# Altium PCB Holberton.PcbDoc (part 6 of 6)
Units mil, origin at the board's own origin, x right, y up, seen from the top; angles counter-clockwise.
Board outline 2963.39 x 3031.46 mil, 6 copper layers (Top Layer, GND, SL1, SL2, PWR, Bottom Layer), stack 30.516 mil thick; 455 components, 409 nets, 1505 pads, 1106 vias.
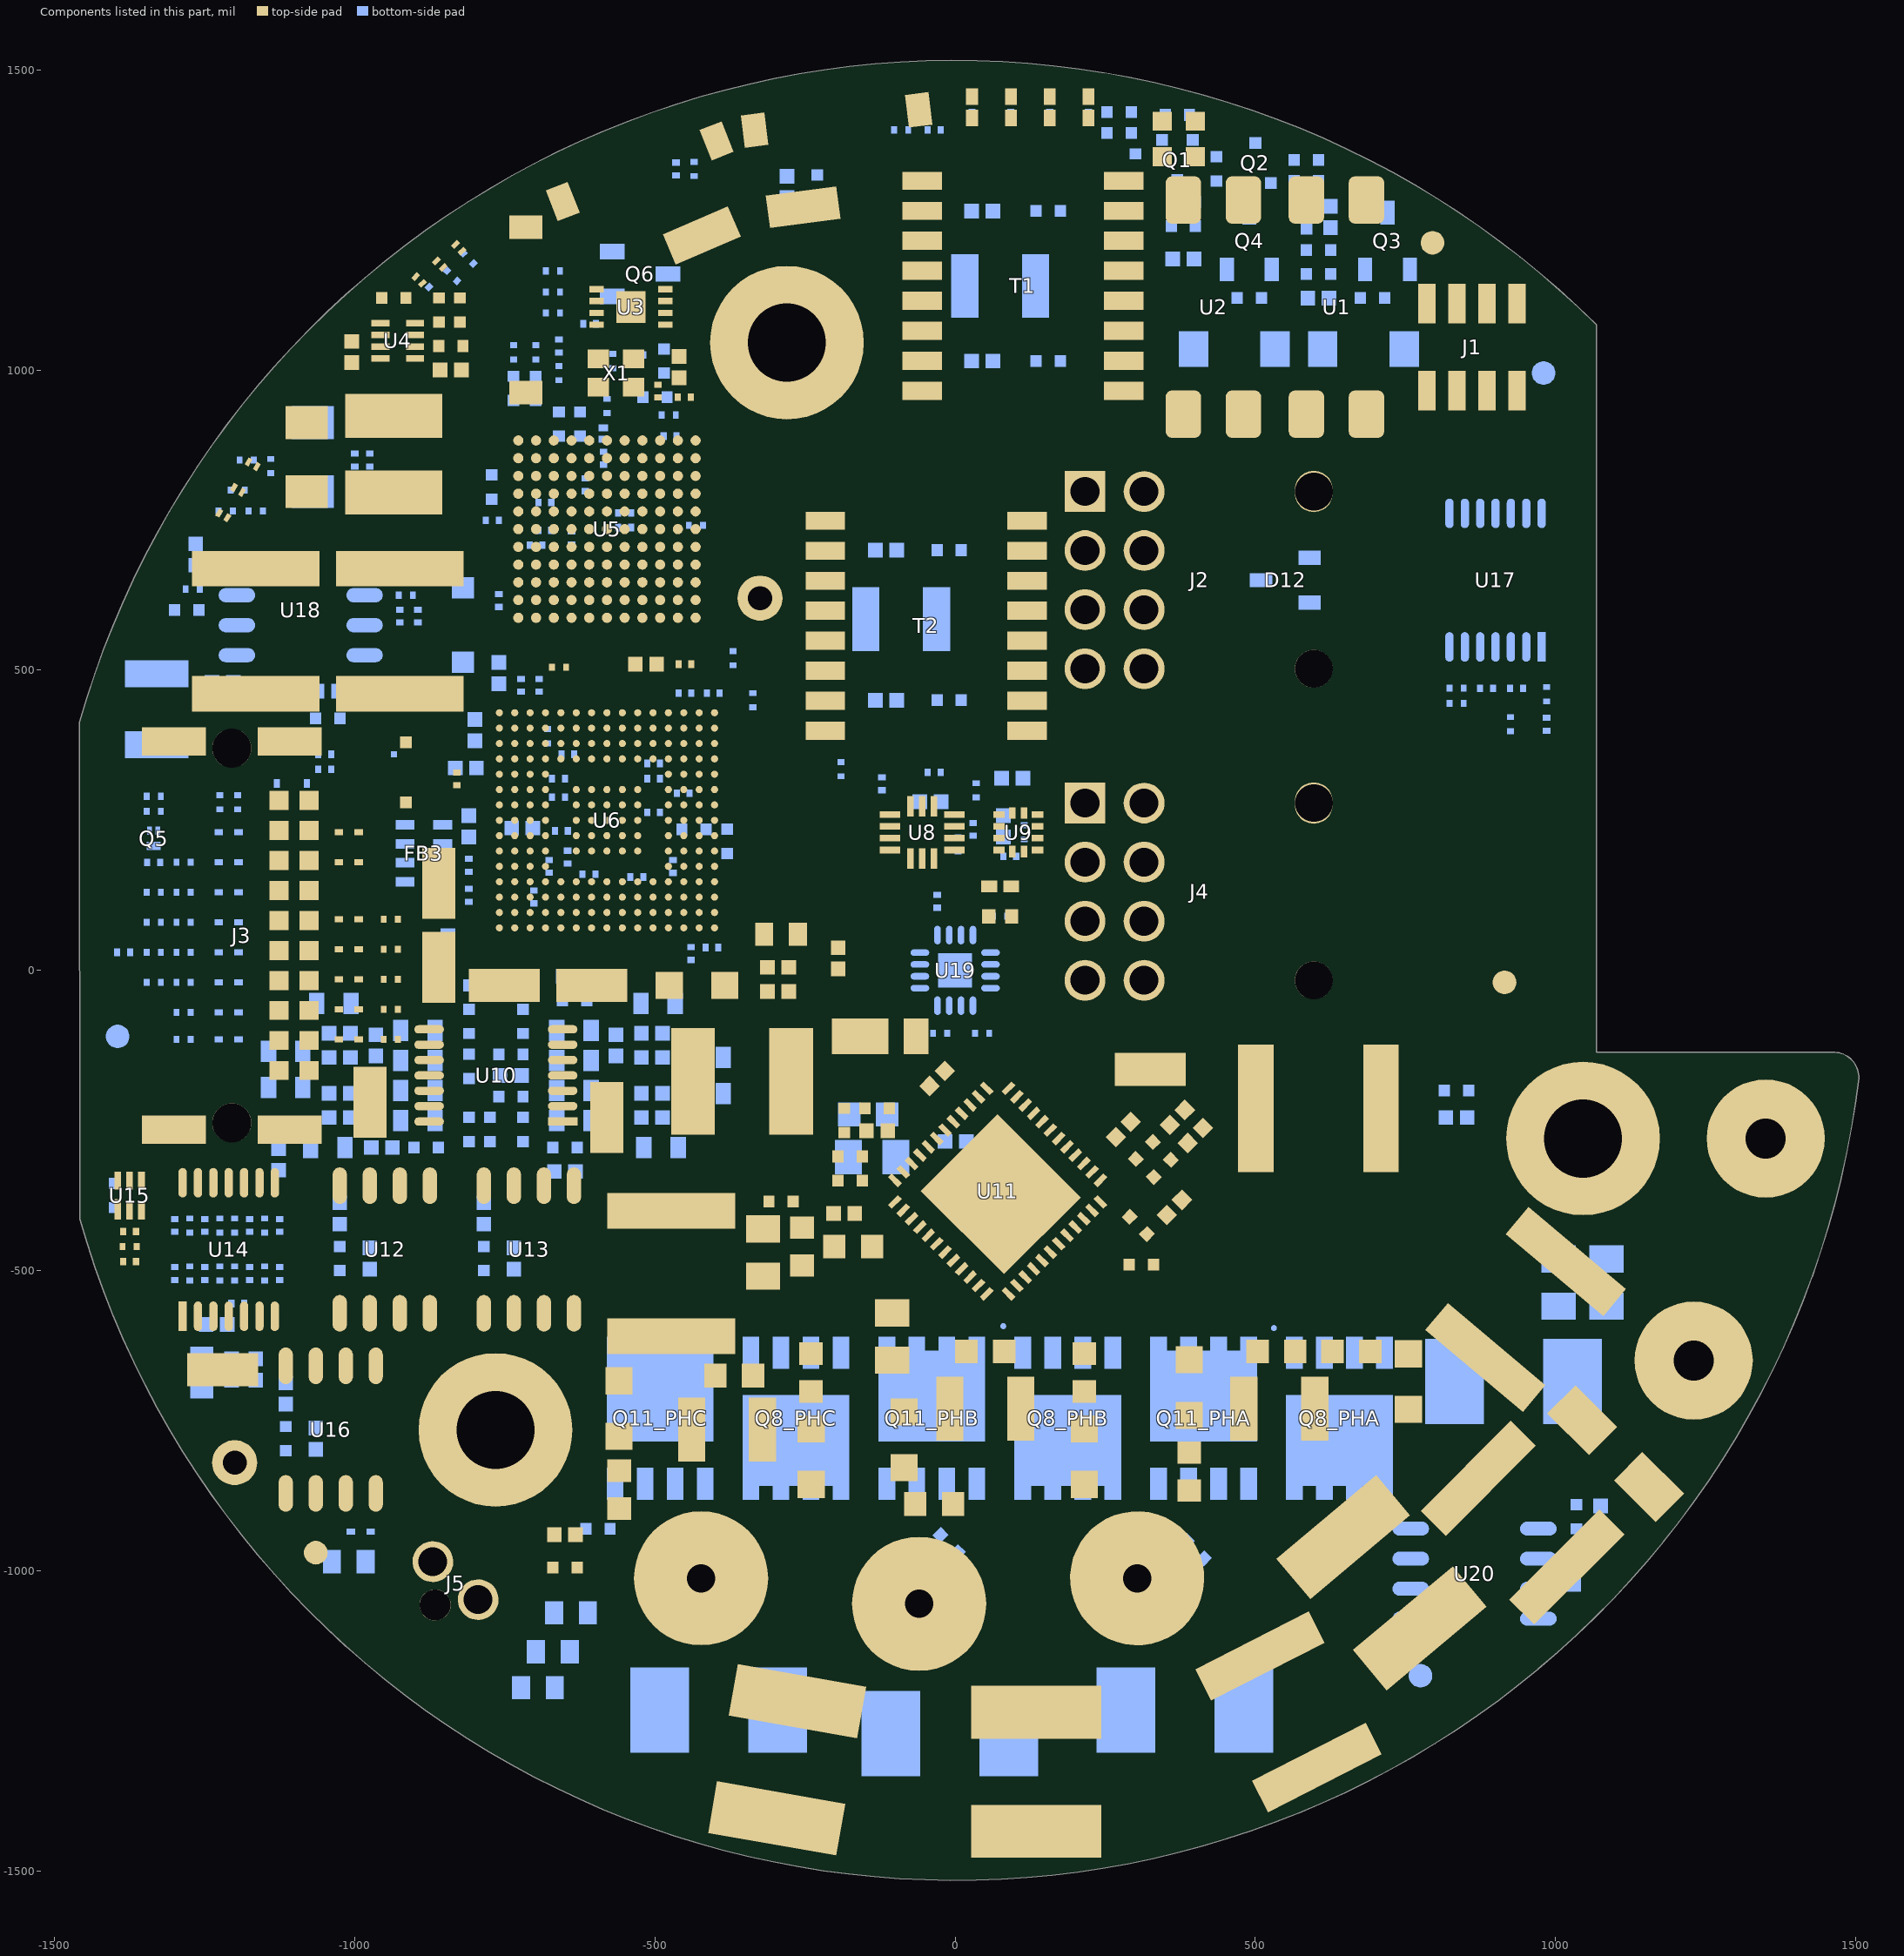
[diagram p10: the components of this part, seen from the top]

## Polygon pours and split planes (outlines as drawn) (continued)
GND on Top Layer "TOP-GND 8" (solid, remove dead copper, pour order 1217): 21 vertices, not listed, extent 65,-780 350,-515
MPWR_IN on Top Layer "TOP-MPWR_IN 1" (solid, pour order 1201): 1255,-565 1320,-630 1320.34,-690.19 1250,-815 1185,-815 1155,-785 1135,-785 1105,-815 1070,-815 995,-740 1090,-620 1110,-600 1180,-565 1255,-565
24V0_SAFE on Top Layer "TOP-24V0_SAFE" (solid, pour order 1196): -365,-485 -375,-495 -375,-520 -366,-529 -295,-529 -271,-505 -240,-505 -240,-475 -280,-475 -290,-485
GND on Top Layer "TOP-GND 4" (solid, remove dead copper, pour order 1229): 32 vertices, not listed, extent -420,-536.5 211.5,-240.5
AGND on Top Layer "TOP-AGND" (solid, remove dead copper, pour order 1296): 54 vertices, not listed, extent -1450.65,-1223.74 -610,-80
VFBSMPS on Top Layer "TOP-VFBSMPS" (solid, remove dead copper, pour order 1290): -975,385 -955,405 -825,405 -815,395 -815,355 -820,350 -885,350 -895,360 -935,360 -950,345 -975,345 -975,385
NetC3_2 on Top Layer "TOP-NETC97_2" (solid, remove dead copper, pour order 1287): -910,1024 -910,985 -935,960 -1016,960 -1016,873 -857,873 -850,880 -850,1010 -875,1010 -875,1020 -879,1024 -910,1024
LVXSMPS on Top Layer "TOP-LVXSMPS" (solid, remove dead copper, pour order 1285): -875,310 -825,310 -825,275 -835,265 -960,265 -970,275 -970,300 -950,300 -940,290 -895,290 -875,310
24V0_GB on Top Layer "TOP-24V0_GB" (solid, remove dead copper, pour order 1282): -363.13,91.87 -306.87,91.87 -305,90 -305,-75 -315,-85 -390,-85 -405,-70 -405,5 -370,40 -370,85
AGND on Top Layer "TOP-AGND 1" (solid, remove dead copper, pour order 1280): -1360,-385 -1360,-418 -1368,-426 -1368,-490 -1340,-490 -1335,-485 -1335,-390 -1340,-385 -1360,-385
SW on Top Layer "TOP-SW" (solid, remove dead copper, pour order 1274): 28 vertices, not listed, extent -305,-275 -7.5,-85
24V0 on Top Layer "TOP-24V0" (solid, remove dead copper, pour order 1257): -1039,1040 -1045,1046 -1045,1065 -1010,1100 -989,1100 -982,1093 -982,1040 -1039,1040
24V0 on Top Layer "TOP-24V0 1" (solid, remove dead copper, pour order 1252): 850,1140 850,1055 840,1045 745,1045 735,1055 735,1135 740,1140 850,1140
3V3A on Top Layer "TOP-3V3A" (solid, remove dead copper, pour order 1249): -1415,-440 -1415,-470 -1395,-490 -1380,-490 -1380,-425 -1390,-415 -1390,-385 -1415,-385 -1420,-385 -1425,-390 -1425,-425 -1415,-435 -1415,-440
24V0_RIPPLE on Top Layer "TOP-24V0_RIPPLE" (solid, remove dead copper, pour order 1204): -517,-246.07 -500,-263.07 -408.07,-263.07 -405,-260 -405,-102.18 -455,-52.18 -455,-11 -470,4 -507,4 -517,-6
MPWR_IN on Top Layer "TOP-MPWR_IN" (solid, remove dead copper, pour order 1246): 525,-125 525,-335 455,-335 445,-325 445,-135 455,-125 525,-125
GND on Top Layer "TOP-GND 1" (solid, remove dead copper, pour order 1242): -1160,-220 -1160,-305 -1155,-310 -1060,-310 -1050,-310 -1045,-305 -1045,-225 -1065,-205 -1065,-155 -1090,-155 -1090,-200 -1100,-210 -1150,-210 -1160,-220
GND on Top Layer "TOP-GND 2" (solid, remove dead copper, pour order 1239): -1355,-220 -1355,-285 -1250,-285 -1250,-220 -1255,-215 -1260,-210 -1345,-210 -1350,-215 -1355,-220
GND on Top Layer "TOP-GND 3" (solid, remove dead copper, pour order 1238): 875,1160 875,1055 885,1045 940,1045 950,1055 950,1155 935,1170 885,1170 875,1160
GND on Top Layer "TOP-GND 5" (solid, remove dead copper, pour order 1220): -1250,405 -1250,330 -1260,320 -1350,320 -1355,325 -1355,345 -1350,350 -1350,395 -1340,405 -1250,405
GND on Top Layer "TOP-GND 6" (solid, remove dead copper, pour order 1219): -1155,405 -1155,335 -1145,325 -1070,325 -1060,335 -1060,405 -1155,405
GND on Top Layer "TOP-GND 7" (solid, remove dead copper, pour order 1218): -285,15 -145,15 -135,5 -135,-50 -140,-55 -205,-55 -230,-80 -270,-80 -285,-65 -285,15
GND on Top Layer "TOP-GND 9" (solid, remove dead copper, pour order 1216): -360,-530 -350,-520 -220,-520 -210,-530 -210,-605 -210,-655 -256,-655 -264,-663 -264,-759 -285,-780 -343,-780 -343,-673 -360,-656 -360,-530
GND on Top Layer "TOP-GND 10" (solid, remove dead copper, pour order 1215): 23 vertices, not listed, extent -1155,890 -855,1130
GND on Top Layer "TOP-GND 11" (solid, remove dead copper, pour order 1212): -1315,605 -1315,715 -1305,725 -1040,725 -1015,700 -820,700 -815,695 -815,580 -845,550 -1005,550 -1020,535 -1120,535 -1165,580 -1290,580 -1315,605
GND on Top Layer "TOP-GND 12" (solid, remove dead copper, pour order 1208): 19 vertices, not listed, extent 550,-780 710,-520
3V3 on Top Layer "TOP-3V3" (solid, remove dead copper, pour order 1207): -1135,825 -1141,819 -1141,746 -1135,740 -1030,740 -1015,725 -870,725 -845,750 -845,820 -857,832 -1028,832 -1035,825 -1135,825
NetC7_1 on Top Layer "TOP-NETC46_1" (solid, remove dead copper, pour order 1205): 30 vertices, not listed, extent -1447.93,-370 -820,491
24V0 on SL1 "SL1-24V0" (solid, remove dead copper, pour order 1253): -156.8,34 -87,34 -28,93 -28,327 29,384 29,521 20.6,529.4 -89.6,529.4 -100.4,518.6 -100.4,389.6 -131,359 -131,176 -185,122 -185,62.2 -156.8,34
MPWR on SL1 "SL1-MPWR 1" (solid, pour order 1298): -405,-566 -405,-599 -382,-622 -360,-644 -360,-765 -360,-770 -370,-780 -410,-780 -579,-611 -579,-569 -579,-534 -555,-510 -425,-510 -405,-530 -405,-566
MPWR on SL1 "SL1-MPWR" (solid, remove dead copper, pour order 1260): 28 vertices, not listed, extent 373,-885 950,-360
GND on SL1 "SL1-GND" (solid, remove dead copper, pour order 1233): 18 vertices, not listed, extent 725,-665.25 1493.09,-60
GND on SL1 "SL1-GND 1" (solid, remove dead copper, pour order 1224): 559,-516 682,-516 695,-529 695,-597 686,-606 560,-606 548,-594 548,-527 559,-516
GND on SL1 "SL1-GND 2" (solid, remove dead copper, pour order 1223): 144,-566 207,-566 235,-538 261,-538 289,-510 343,-510 354,-521 354,-563 315,-602 138,-602 131,-595 131,-579 144,-566
GND on SL1 "SL1-GND 3" (solid, remove dead copper, pour order 1222): -334,-519 -221,-519 -212,-528 -212,-596 -220,-604 -346,-604 -354,-596 -354,-539
24V0 on SL2 "SL2-24V0" (solid, remove dead copper, pour order 1251): 59 vertices, not listed, extent -1385,472.5 860,1460
MPWR on SL2 "SL2-MPWR 1" (solid, pour order 1299): -555,-510 -425,-510 -405,-530 -405,-599 -360,-644 -360,-770 -370,-780 -410,-780 -579,-611 -579,-534 -555,-510
3V3A on SL2 "SL2-3V3A" (solid, remove dead copper, pour order 1243): 28 vertices, not listed, extent -625,-467 965,470
GND on SL2 "SL2-GND 3" (solid, remove dead copper, pour order 1225): -345,-519 -221,-519 -212,-528 -212,-596 -220,-604 -346,-604 -354,-596 -354,-528 -345,-519
AGND on SL2 "SL2-AGND" (solid, remove dead copper, pour order 1276): 37 vertices, not listed, extent -1010,-450 -670,195
MPWR on SL2 "SL2-MPWR" (solid, remove dead copper, pour order 1262): 28 vertices, not listed, extent 373,-885 950,-360
GND on SL2 "SL2-GND" (solid, remove dead copper, pour order 1232): 18 vertices, not listed, extent 725,-665.25 1493.09,-60
GND on SL2 "SL2-GND 1" (solid, remove dead copper, pour order 1227): 559,-516 682,-516 695,-529 695,-597 686,-606 560,-606 548,-594 548,-527 559,-516
GND on SL2 "SL2-GND 2" (solid, remove dead copper, pour order 1226): 144,-566 207,-566 235,-538 261,-538 289,-510 343,-510 354,-521 354,-563 315,-602 138,-602 131,-595 131,-579 144,-566
GND on GND "GND-GND" (solid, remove dead copper, pour order 1289): 60 vertices, not listed, extent -1444.11,-1500.61 1493.09,1500.6
AGND on GND "GND-AGND" (solid, remove dead copper, pour order 1275): 30 vertices, not listed, extent -1445.47,-1223.74 -610,-47
3V3 on PWR "PWR-3V3" (solid, remove dead copper, pour order 1291): 61 vertices, not listed, extent -1435,-370 415,1485.67
GND on PWR "PWR-GND" (solid, remove dead copper, pour order 1292): 67 vertices, not listed, extent -859.95,-1500.61 1493.09,1474.42
3V3A_GB on PWR "PWR-3V3A_GB" (solid, remove dead copper, pour order 1293): 25 vertices, not listed, extent -1220,-840 -655,-160
3V3A on PWR "PWR-3V3A" (solid, remove dead copper, pour order 1294): 57 vertices, not listed, extent -1435.13,-1212.98 -580,281

## Keep-outs
Keep-Out Layer:
  rectangle: 1027,299 1082,591
  rectangle: -69,1482 144,1516
  rectangle: -1487,-111 -1426,95
  region: -203,-1482 234,-1482 234,-1527 -203,-1527
  lines w5: -818,720.01 ccw(c-830,720) -818,720 ; -788,1120.18 ccw(c-800,1120.18) -788,1120.18

## Other copper
Top Layer:
  pour cut-out: 1460,-150 cw(c1460,-180) 1490,-180 1500,-180 1500,-145 1460,-145
  pour cut-out: -16.26,1336.36 -16.26,944.44 -94,944.44 -94,1336.36
  pour cut-out: 319.57,1336.36 319.57,944.44 241.82,944.44 241.82,1336.36
  pour cut-out: 530,-115 590,-115 590,-345 530,-345
  pour cut-out: -432.95,-283.84 -541.16,-283.84 -545,-280 -545,-270 -442.4,-270 -432.95,-279.45
  pour cut-out: -302,-831.5 -271,-831.5 -270,-832.5 -270,-857.5 -279,-857.5 -299,-837.5
  pour cut-out: 141,-802 171,-802 171,-829 167,-829 146,-808
  pour cut-out: 179.5,-761 171.5,-761 144.5,-788 148.5,-792 177.5,-792 180.5,-789
  pour cut-out: 1025,-685 1090,-620 1090,-588.75 972.75,-588.75 972.75,-685
  pour cut-out: 971.72,-810 971.72,-770.33 1035,-770.33 1035,-810
  pour cut-out: -171.5,-629 -158.5,-629 -158.5,-665 -171.5,-665
  pour cut-out: -282.24,-800 -217.05,-800 -217.05,-816 -283.24,-816
  pour cut-out: -443,1014 -480,1014 -480,1006 -443,1006
  pour cut-out: 300,-454 301,-453 317,-453 317,-508 305,-508 305,-505 300,-500 300,-463
  pour cut-out: -1151,-103 -1180,-103 -1180,-126 -1179,-125 -1147,-125 -1147,-107 -1149,-105
  pour cut-out: -949,342 -934,357 -896,357 -885,346 -837,346 -835,344 -835,322 -836,322 -844,314 -884,314 -898,300 -933,300 -947,314 -985,314 -985,342
  pour cut-out: -1028,316 -1026,318 -976,318 -976,302 -980,298 -980,252 -1037,252 -1045,260 -1045,303
  pour cut-out: 367,1430 422.24,1430 424,1428.24 424,1372 422,1370 322.6,1370 317,1375.6 317,1420 328,1431
  pour cut-out: 37,82 50,82 50,70 37,70
  pour cut-out: 57,-595 57,-587 73,-587 73,-578 71,-576 49,-576 49,-595
  pour cut-out: -298,-367 -285,-367 -285,-403 -298,-403
  pour cut-out: -6,-149 -24,-149 -24,-128 -23,-127 -6,-127
  pour cut-out: -462,6 -412,6 -410.2,4.2 -410.2,-77.18 -425.82,-77.18 -450.82,-52.18 -450.82,-2.18 -453,0 -462,0
  pour cut-out: -300,88 -281,88 -281,86 -282,85 -282,32 -298,32 -300,34 -300,77
  pour cut-out: 69,158 35,158 34,159 34,122 69,122
  pour cut-out: 66,110 66,73 84,73 83,74 83,110
  pour cut-out: 82,158 82,122 69,122 69,158
  pour cut-out: -1085,-625 -1085,-685 -1075,-695 -1000,-695 -995,-690 -995,-625 -1000,-620 -1025,-620 -1040,-635 -1045,-635 -1060,-620 -1080,-620
  pour cut-out: -755,-320 -755,-397.69 -662.28,-397.69 -662.28,-320
  pour cut-out: -995,-320 -995,-397.69 -902.28,-397.69 -902.28,-320
  pour cut-out: -177.42,770.08 -177.42,378.16 -255.16,378.16 -255.16,770.08
  pour cut-out: -505,1150 -505,1060 -465,1060 -465,1150
  pour cut-out: 153.2,178.45 33.41,178.45 33.41,279 153.2,279
  pour cut-out: 15,170.86 15,301 -125,301 -125,170.86
  pour cut-out: -939.23,256.9 -1098.4,256.9 -1098.4,-152.94 -939.23,-152.94
  pour cut-out: 158.41,770.08 158.41,378.16 80.66,378.16 80.66,770.08
  pour cut-out: -742.4,897.4 -417.6,897.4 -417.6,572.59 -742.4,572.59
  pour cut-out: -390.99,454 -783,454 -783,48 -390.99,48
  text "1_TOP" at 3279.41,125 h50
SL1:
  pour cut-out: 1460,-150 cw(c1460,-180) 1490,-180 1500,-180 1500,-145 1460,-145
  text "3_SL1" at 3279.41,-75 h50
SL2:
  pour cut-out: 1460,-150 cw(c1460,-180) 1490,-180 1500,-180 1500,-145 1460,-145
  text "4_SL2" at 3280,-175 h50
GND:
  pour cut-out: 1460,-150 cw(c1460,-180) 1490,-180 1500,-180 1500,-145 1460,-145
  text "2_GND" at 3281.41,15 h50
PWR:
  pour cut-out: 1460,-150 cw(c1460,-180) 1490,-180 1500,-180 1500,-145 1460,-145
  text "5_PWR" at 3280.41,-278 h50
Bottom Layer:
  pour cut-out: 1460,-150 cw(c1460,-180) 1490,-180 1500,-180 1500,-145 1460,-145
  pour cut-out: -45.6,58.81 -45.6,-80 58.8,-80 58.8,58.81
  pour cut-out: -503,1025 -467,1025 -467,1009 -503,1009
  pour cut-out: -740,980 -675,980 -675,964.69 -677,966.69 -743.96,966.69
  pour cut-out: -596.47,-67.84 -605,-67.84 -605,-80 -596.47,-80
  pour cut-out: 60,315 75,315 75,300 60,300
  pour cut-out: 85,295 85,340 115,340 115,295
  pour cut-out: -1205,225 -1225,225 -1225,265 -1205,265
  pour cut-out: -835,240 -820,240 -820,190 -835,190
  pour cut-out: 285,1350 315,1350 315,1330 285,1330
  pour cut-out: 595,1290 595,1335 560,1335 560,1290
  pour cut-out: 510,1140 475,1140 475,1105 510,1105
  pour cut-out: 450,1135 465,1135 465,1120 450,1120
  pour cut-out: 660,1135 670,1135 670,1125 660,1125
  pour cut-out: 720,1140 680,1140 680,1105 705,1105 705,1135 720,1135
  pour cut-out: 595,1170 570,1170 570,1185 595,1185
  pour cut-out: 565,1140 580,1140 580,1125 565,1125
  pour cut-out: 595,1105 595,1215 610,1215 610,1105
  pour cut-out: 340,1205 355,1205 355,1190 340,1190
  pour cut-out: 340,1180 355,1180 355,1165 340,1165
  pour cut-out: 370,1250 370,1245 340,1245 340,1270
  pour cut-out: 390,1200 375,1200 370,1205 370,1290 390,1290
  pour cut-out: -235,1325 -250,1325 -250,1340 -235,1340
  pour cut-out: -225,1340 -225,1325 -210,1325 -210,1340
  pour cut-out: -475,-70 -475,-40 -385,-40 -385,-25 -505,-25 -505,-70
  pour cut-out: -460,-270 -440,-270 -440,-285 -460,-285
  pour cut-out: -605,-910 -590,-910 -590,-950 -615,-975 -615,-940 -605,-940
  pour cut-out: -1140,-505 -1110,-505 -1110,-525 -1140,-525
  pour cut-out: -1230,-660 -1230,-675 -1235,-680 -1280,-680 -1290,-690 -1290,-660 -1240,-660
  pour cut-out: -1135,-700 -1135,-675 -1130,-670 -1095,-670 -1095,-705 -1130,-705
  pour cut-out: -1045,-775 -1045,-750 -1050,-745 -1080,-745 -1085,-750 -1085,-785 -1055,-785
  pour cut-out: -2.78,-939.43 -36.29,-905.92 -58.18,-927.82 -25.82,-960.18
  pour cut-out: 413.4,-955.62 382.39,-924.61 363,-944 393,-974
  pour cut-out: -645,200 -635,200 -635,210 -645,210
  pour cut-out: -1085,315 -1075,315 -1075,325 -1085,325
  pour cut-out: -1130,315 -1120,315 -1120,325 -1130,325
  pour cut-out: -525,310 -515,310 -515,320 -525,320
  pour cut-out: -525,265 -515,265 -515,275 -525,275
  pour cut-out: -525,250 -515,250 -515,260 -525,260
  text "6_BOT" at 3280,-375 h50

## Silkscreen, mask and mechanical layers (free items; w line width, h text height)
Top Overlay:
  circle w10: c-1425,-400 r5
  lines w4: 545,-605 545,-515
  lines w6: -1402,-563.44 -1404.96,-560.48 -1404.96,-498.37 -1399.92,-493.33 -1399.92,-455.15 ; -1397,574 -1397,560 -1277,560 -1277,632.5 -1289.03,644.54 -1363.91,644.54 ; -1380.46,-421.93 -1350.29,-421.93 -1350.29,-487.88 -1324.4,-487.88 -1324.4,-565.15 -1328.56,-569.31 ; -1287.43,644.07 -1287.43,703.11 -1259.45,731.09 ; -1282.78,749.75 -1284.46,746.94 -1213.35,704.64 -1202.51,722.86 ; -1226.57,850.97 -1223.72,855.77 -1152.6,813.48 -1166.59,789.96 ; -1136.62,-320 -1120.73,-320 ; -1030.5,-282.5 -1011.5,-255.5 ; -965.1,96.89 -965.1,198.12 -939.76,198.12 -893.75,198.12 -893.75,91.08 -913.72,71.11 -913.72,-29.48 -938.65,-29.48 ; -884.66,1001.8 -877.12,1009.35 -877.12,1016.24 -869.59,1023.77 ; -878,-62 -898,-62 -898,73 -839,73 -785,73 -785,43 -717,43 ; -820.54,1218.24 -812.16,1226.62 ; -819.62,1228.95 -809.33,1228.95 -809.33,1218.93 ; -586,-59 -509,-59 -509,41 -538,41 ; -475,-695 -455,-675 -431,-675 ; -255,-33 -220,-33 ; -182.28,902.9 -327,902.9 -327,801.16 -182.28,801.16 -182.28,902.58 -136.34,902.58 -136.34,858.98 -180.81,858.98 ; -151,-874 -116,-841 ; -92.75,-279.75 -91,-278 -91,-218 -84,-211 -84,-155 -91,-155 ; -61.48,1468.33 -67.43,1468.33 -72.14,1473.04 -72.14,1499.75 -67.76,1504.13 -30.89,1504.13 -26.68,1499.92 -26.6,1499.92 ; -12.85,1398.95 -25.81,1398.95 -25.81,1499.04 -0.49,1499.04 ; 87.58,1498.57 171.04,1498.57 175.94,1493.67 240.72,1493.67 243.09,1491.3 243.09,1398.92 231.99,1398.92 ; 135,90 145,90 ; 135,140 145,140 ; 145,80 145,100 ; 145,130 145,150 ; 165,90 175,90 ; 165,140 175,140 ; 287,1364 310,1364 ; 298.23,1345.77 298.23,1364.23 ; 298.23,1387 298.23,1364.23 ; 313,-278 313,-268 318,-263 ; 438,1390 461,1390 ; 449.23,1371.77 449.23,1390.23 ; 449.23,1413 449.23,1390.23 ; 145,90 165,80 165,100 145,90 ; 145,140 165,150 165,130 145,140 ; 298.23,1364.23 309.77,1375.77 286.69,1375.77 298.23,1364.23 ; 449.23,1390.23 437.69,1401.77 460.77,1401.77 449.23,1390.23
  text "ECAT" at 6.01,1490.14 h35
  text "A" at -57.52,1470.81 h40
  text "RUN" at 139.51,1399.33 h40 r90
  text "ERR" at 203.08,1399.18 h40 r90
  text "ACT0" at 7.56,1398.31 h40 r90
  text "ACT1" at 74.26,1396.61 h40 r90
  text "24V0_SAFE" at 441,1343 h35
  text "24V0 GB" at 281,1340 h35 r90
  text "3V3" at -775.68,1290.99 h35 r330
  text "3V3A" at -814.47,1267.99 h35 r330
  text "5V0" at -838.45,1251.76 h35 r330
  text "BLINKY1" at -112.49,1216.48 h35 r90
  text "MCLK" at -263.44,1214.15 h35 r7
  text "nRST" at -608.16,1181.29 h35 r22
  text "E_MFC_IRQ" at -465.79,1144.65 h35 r22
  text "nBUTTON" at -1184,872 h35 r60
  text "A" at -172.21,869.24 h40
  text "nBUTTON" at -764.1,830.44 h35 r90
  text "2" at -1161.22,759.97 h35 r60
  text "BLINKY" at -1273,755 h35 r60
  text "1" at -1184.55,720.2 h35 r60
  text "GND" at -363.54,702.65 h40
  text "ECAT OUT" at 795,630.62 h58
  text "Holberton V1" at 750,370.61 h60
  text "TOP_SILK" at 3279.41,325 h50
  text "MGL" at -51.16,111.8 h40
  text "ECAT IN" at 805,110.64 h60
  text "PHASE_I_ADC_A" at -793.1,85 h40 r90
  text "MGH" at -50.06,65.84 h40
  text "PHASE_V" at -707,20.1 h40
  text "B" at -866.73,-80.88 h40
  text "A" at -685.02,-81 h40
  text "C" at -617,-81.57 h40
  text "MOTOR_CURRENT_ADC" at 88.68,-128.69 h35
  text "PHASE_I_ADC_B" at -1114,-317.78 h35
  text "BUS_VOL_ADC" at -516.22,-320 h35 r90
  text "GND" at 1307.33,-420.45 h60 r315
  text "MPWR_IN" at 1207.68,-464.02 h50 r315
  text "PHASE_I_ADC_C" at -1383.27,-601.76 h35 r300
  text "AGND" at -1221.84,-882.22 h35
  text "PHASEC_OUT" at -268.78,-1144.77 h35 r85
  text "PHASEB_OUT" at 93.52,-1154.3 h35 r90
  text "PHASEA_OUT" at 183.52,-1158.3 h35 r90
  text "ENC_THERM" at -809.3,-1253.32 h35 r50
Bottom Overlay:
  region: 787.63,-431.13 787.63,-161.13 77.52,-161.13 77.52,-431.13
  lines w6: -1360,5 -1345,5 -1335,15 ; -1350,-165 -1350,-310 -1250,-310 -1250,150 -1310,150 -1310,-50 -1330,-50 -1330,-120 ; -1335,-410 -1315,-430 ; -1310,-470 -1285,-470 -1275,-480 ; -1260,-530 -1138,-530 -1138,-470 -1260,-470 -1260,-480 ; -1195,-625 -1175,-605 ; -1135,-530 -1115,-530 -1095,-550 ; -1005,-265 -1065,-265 -1065,-80 -1090,-80 -1090,150 -985,150 -985,-245 ; -994.07,-313.25 -994.07,-273.99 ; -993.33,-273 -983.6,-263.27 ; -855,-125 -945,-125 ; -845,-205 -845,-275 -945,-275 -945,-125 ; -774.19,-300.79 -761.51,-313.48 ; -720,195 -705,215 ; -685,-110 -685,110 -585,110 -585,-110 ; -672.5,862.5 -665,870 ; -661.97,160.96 -650.99,149.98 ; -635,860 -625,870 ; -585.26,162.87 -575.4,172.74 ; -470,-325 -345,-325 -345,-480 -445,-480 -445,-325 -545,-325 -545,-265 ; -435,255 -425,265 ; 200,1420 210,1430 ; 551.84,1134.36 565.05,1147.58 ; 600,1290 605,1295 675,1295 ; 640,1100 655,1085 740,1085 ; 640.94,1204.06 650,1195 ; 950,455 965,440 965,380 ; -1095,-550 -905,-550 -905,-650 -1095,-650 -1095,-550 ; -945,-125 -945,5 ; -945,5 -875,5 -875,115 -975,115 -975,5 -945,5 ; -545,-265 -545,-85 -465,-85 -465,-265 -545,-265 ; -940,612.59 -940,809.8 -850,809.8 -850,699.98 -885,699.98 -885,612.59 -940,612.59 ; -780,-228 -690,-228 -690,-350 -690,-520 -485,-520 -485,-355 -585,-355 -585,-124 -780,-124 -780,-228 ; -735,610 -735,755 -655,755 -655,610 -735,610 ; -694.18,1078.27 -644.38,1078.27 -644.38,1159 -613.45,1159 -613.45,1290 -694.18,1290 -694.18,1078.27 ; -585,390 -585,510 -477,510 -477,245 -530,245 -530,390 -585,390
  text "HOLBERTON V1" at 1040,80 h100
  text "'.GPN_PCB' Rev'.GPN_PCB_REV'" at 1015,-125 h35
  text "BOTTOM_SILK" at 3280,-575 h50
Top Paste:
  text "TOP_PASTE" at 3279.41,425 h50
Bottom Paste:
  text "BOTTOM_PASTE" at 3280,-675 h50
Top Solder:
  text "TOP_SOLDER" at 3279.41,225 h50
Bottom Solder:
  text "BOTTOM_SOLDER" at 3280,-475 h50
(M1) Top Assembly:
  lines w5: 16030,-225 16230,-225
  lines w6: 8807.5,-2515 8875,-2425 8942.5,-2515 8807.5,-2515
  text "ASSEMBLY TOP" at 3279.41,625 h50
  text "ASSEMBLY NOTES, UNLESS OTHERWISE SPECIFIED:" at 8880,-1950 h50
  text "1. ASSEMBLE PER IPC-A-610, CLASS 2 (LATEST REVISION)." at 8855,-2125 h50
  text "2. ASSEMBLE BOARD WITH LEAD FREE SOLDER." at 8855,-2250 h50
  text "3. DO NOT WASH ASSEMBLY.  COMPONETS MIC1 AND MIC2 ARE MOISTURE SENSITIVE." at 8855,-2375 h50
  text "4. SERIALIZE AT LOCATION SPECIFIED WITH MEDIUM SIZE LABEL AS DEFINED IN DOCUMENT 991-00897-00. MAX LABEL SIZE IS 1 IN X 3 IN.  /   MANUFACTURER SHALL KEEP TRACEABILITY INFORMATION FOR EVERY ASSEMBLY MANUFACTURED.  /  TRACEABILITY INFORMATION SHALL INCLUDE PART NUMBERS AND REVISIONS; ANY SERIAL NUMBERS, DATE AND LOT CODES; DATE MANUFACTURED;  /   MANUFACTURING LOCATION; AND PRODUCTION, INSPECTION, TEST, AND REWORK HISTORY. TRACEABILITY INFORMATION SHALL BE RETAINED FOR 5 YEARS." at 8850,-2775 h50
  text "5. PCBA SHALL MAINTAIN OUTLINE DIMENSIONAL TOLERANCE AFTER DEPANELING." at 8855,-2900 h50
  text "6. PCBA SHALL BE SHIPPED IN ESD SAFE PACKAGING WITH VISIBLE LABELING ON THE ESD PACKAGING /   AND VISIBLE LABELING ON THE SHIPPING BOX PER DOCUMENT 991-00897-00." at 8850,-3100 h50
  text "7. THE MATERIALS AND PROCESS USED TO FABRICATE THIS PART ARE TO BE CONSISTENT WITH  /   THE DIRECTIVE 2011/65/EU RESTRICTION OF HAZARDOUS SUBSTANCES IN ELECTRICAL AND ELECTRONIC EQUIPMENT (ROHS).    /   THE FINISHED PART TO BE ACCOMPANIED BY A SIGNED CERTIFICATE OF COMPLIANCE TO DIRECTIVE 2011/65/EU." at 8850,-3450 h50
  text "8. IF ANY REACH SVHC’S ARE UTILIZED IN THE MATERIALS AND/OR PROCESS USED TO FABRICATE THIS PART,  /   THE WEIGHT OF THE SVHC’S MUST BE PROVIDED." at 8850,-3675 h50
  text "9. A CONFLICT MINERALS REPORTING TEMPLATE (CMRT) MUST BE AVAILABLE UPON REQUEST AT A PART LEVEL FOR ALL SUPPLIED PARTS." at 8850,-3775 h50
  text "10. HOMOGENEOUS SUBSTANCE INFORMATION TO ACCOMPANY THE FABRICATED PART PER IPC-1752 (LATEST REV) DATA STANDARDS." at 8850,-3925 h50
  text "COMPONENT COUNT:" at 14578.82,-4096.9 h50
  text "'.Component_Count'" at 15678.82,-4096.9 h50
  text "PAD COUNT:" at 14578.82,-4196.9 h50
  text "'.Pad_Count'" at 15678.82,-4196.9 h50
  text "NET COUNT:" at 14578.82,-4296.9 h50
  text "'.Net_Count'" at 15678.82,-4296.9 h50
(M2) Bottom Assembly:
  lines w5: 16030,-225 16230,-225
  text "ASSEMBLY BOTTOM" at 3280,-875 h50
(M3) Board Outline:
  lines w5: -1458.36,-414.43 -1458.36,413.12 cw(c0,0) 1067.79,1075.79 ; -1457.99,-414.43 ccw(c0,0) 1505.02,-180 ; 1067.73,1075.79 1067.73,-136.42 1465,-136.42 cw(c1463.21,-178.21) 1505,-180
Bottom FAB TOP/FAB BOT:
  lines w5: 16030,-225 16230,-225
  text "FAB BOTTOM" at 3280,-775 h50
(M6) 3D Bodies Bottom:
  lines w1: -1732.05,-1000 0,0 ; -1732.05,1000 0,0 ; -517.64,1931.85 0,0 ; 0,0 1414.21,1414.21 0,0 ; 0,0 1931.85,-517.64 0,0 ; 0,0 517.64,-1931.85 0,0 ; 0,0 -1931.85,517.64 0,0
Top FAB TOP/FAB BOT:
  lines w5: 16030,-225 16230,-225 16030,-225
  text "NOTES: (UNLESS OTHERWISE SPECIFIED)" at 8780,3650 h50
  text "1. GENERAL REQUIREMENT: /    A. FABRICATE TO MEET IPC-2221, IPC-6011, AND IPC-6012 (LATEST REVISIONS) CLASS 2, EXCEPT WHERE OTHERWISE SPECIFIED.  /    B. BOARD SHALL BE ELECTRICALLY TESTED PER CURRENT REVISION OF IPC 6012 /        AND IPC 9252 CLASS II. COMPLETED ELECTRICAL TEST BOARDS MUST BE MARKED  IN PERMANENT NON-CONDUCTIVE INK NEXT  /       TO SUPPLIER UL RECOGNITION MARK. /       USE NET TIE REPORT (IF SUPPLIED) FOR IDENTIFYING DELIBERATE SHORTS IN NETLIST. /    C. CONFIGURATION OF THE PRINTED CIRCUIT BOARD NOT SPECIFICALLY DIMENSIONED ON THE /        DRAWING SHALL BE CONTROLLED BY THE GERBER DATA. /    D. PCB FABRICATION PROCESS AND MATERIALS MUST BE COMPLIANT WITH THE HAZARDOUS  /        SUBSTANCES(ROHS) DIRECTIVE AND COMPATIBLE WITH PB FREE ASSEMBLY PROCESS." at 8750,2625 h50
  text "2. CONTROLLED IMPEDANCE NETS: 100 OHM DIFFERENTIAL +/- 10% REFERENCED TO GND INTERNAL PLANE ON THE LAYER DIRECTLY ADJACENT.   /  TRACES HAVE  6.1MIL WIDTH AND 8 MIL GAP AND ARE LOCATED ON THE TOP AND BOT LAYERS. /    ECAT_R0(P/N) /    ECAT_R1(P/N) /    ECAT_T0(P/N) /    ECAT_T1(P/N) /    ECATPHY0_T(P/N) /    ECATPHY0_R_(P/N) /    ECATPHY1_T(P/N) /    ECATPHY1_R_(P/N)" at 8800,1525 h50
  text "3. MATERIAL /    A. GLASS EPOXY, NATURAL COLOR, LAMINATED NANYA NP 175 OR EQUIVALENT." at 8825,1300 h50
  text "4. SURFACE FINISH: /    A. ALL EXTERNAL METAL FINISH NOT COVERED BY SOLDERMASK SHALL BE PLATE 118-250  /        MICRO-INCHES OF ELECTROLESS NICKEL AND 2 - 8 MICROINCHES OF IMMERSION GOLD (ENIG)" at 8825,950 h50
  text "5. THEIVING PATTER SHALL NOT BE ADDED TO PCB UNLESS EXPLICITLY APPROVED." at 8825,850 h50
  text "6. LAYER TO LAYER REGISTRATION SHALL BE WITHIN 0.15MM (0.005 IN) OF GERBER DATA." at 8825,700 h50
  text "FAB TOP" at 3279.41,525 h50
  text "7. VIA: /    TENT VIAS PER GERBER FILES." at 8825,500 h50
  text "8. DRILLING /    A. ALL HOLE SYMBOLS MAY NOT BE SHOWN IN THE DRAWING. SEE DRILL CHART FOR DETAILS. /    B. DIAMETERS IN THE DRILL TABLE ARE FINISHED HOLE SIZES WITH +/-0.003\" TOLERANCE UNLESS OTHERWISE SPECIFIED IN THE DRILL TABLE." at 8825,200 h50
  text "9. MARKING: /    A. SOLDERMASK,PHOTO-IMAGED LIQUID POLYMER ON BOTH SIDES OF BOARDS IN ACCORDANCE /       WITH IPC-SM-840, TYPE B, CLASS 2, OVER BARE COPPER. SOLDERMASK COLOR TO BE BLUE /    B. COMPONENT MARKING: SILKSCREEN BOTH SIDES WITH NON-CONDUCTIVE EPOXY INK. /       LANDS AND EXPOSED PLATED AREAS TO BE FREE OF INK. SILK COLOR TO BE WHITE /    C. IDENTIFICATION: FAB VENDOR LOGO AND PART NUMBER WITH CURRENT REVISION TO BE ETCHED ON THE TOP SIDE. /      SILKSCREEN DATE CODE ON SOLDER SIDE NEAR PART NUMBER.  SUPPLIER SHALL NOT ADD ANY TEXT OR MARKING IN THE COPPER." at 8825,-425 h50
  text "10. NETS INTENTIONALLY SHORTED: /    A. AGND - GND AT NT1" at 8825,-650 h50
  text "11. PLATING SHALL BE ENIG PER IPC-4552 (LATEST REVISION)." at 8825,-800 h50
  text "PANEL" at 3276,-983 h50
  text "12. THE MATERIALS AND PROCESS USED TO FABRICATE THIS PART ARE TO BE CONSISTENT WITH THE DIRECTIVE 2011/65/EU  /     RESTRICTION OF HAZARDOUS SUBSTANCES IN ELECTRICAL AND ELECTRONICS EQUIPMENT (ROHS).   THE FINDISHED PART TO BE  /    ACCOMPANIED BY A SIGNED CERTIFICATE OF COMPLIANCE TO THE DIRECTIVE 2011/65/EU." at 8825,-1150 h50
  text "13. IF ANY REACH SVHC’S ARE USTIIZED IN THE MATERIALS AND OR PROCESS USED TO FABRICATE THIS PART, THE WEIGHT OF THE SVHC'S MUST BE PROVIDED." at 8825,-1275 h50
  text "14. BOARD OUTLINE CONTAINED IN GERBER FILE (.GM3)" at 8825,-1425 h50
(M12) DXF 2:
  drawing of 659 lines, arcs and shapes, not listed
Drill Drawing:
  drawing of 155 lines, arcs and shapes, not listed
  text "Symbol" at 3329.96,6600 h72
  text "Count" at 3835.83,6600 h72
  text "Hole Size" at 4465.67,6600 h72
  text "Plated" at 5615.33,6600 h72
  text "Hole Type" at 6121.2,6600 h72
  text "Drill Layer Pair" at 6855.01,6600 h72
  text "199" at 3835.83,6450 h60
  text "6.00mil (0.152mm)" at 4465.67,6450 h60
  text "PTH" at 5615.33,6450 h60
  text "Round" at 6121.2,6450 h60
  text "Top Layer - Bottom Layer" at 6855.01,6450 h60
  text "470" at 3835.83,6300 h60
  text "8.00mil (0.203mm)" at 4465.67,6300 h60
  text "PTH" at 5615.33,6300 h60
  text "Round" at 6121.2,6300 h60
  text "Top Layer - Bottom Layer" at 6855.01,6300 h60
  text "272" at 3835.83,6150 h60
  text "10.00mil (0.254mm)" at 4465.67,6150 h60
  text "PTH" at 5615.33,6150 h60
  text "Round" at 6121.2,6150 h60
  text "Top Layer - Bottom Layer" at 6855.01,6150 h60
  text "6" at 3835.83,6000 h60
  text "12.00mil (0.305mm)" at 4465.67,6000 h60
  text "PTH" at 5615.33,6000 h60
  text "Round" at 6121.2,6000 h60
  text "Top Layer - Bottom Layer" at 6855.01,6000 h60
  text "159" at 3835.83,5850 h60
  text "15.00mil (0.381mm)" at 4465.67,5850 h60
  text "PTH" at 5615.33,5850 h60
  text "Round" at 6121.2,5850 h60
  text "Top Layer - Bottom Layer" at 6855.01,5850 h60
  text "2" at 3835.83,5700 h60
  text "40.00mil (1.016mm)" at 4465.67,5700 h60
  text "PTH" at 5615.33,5700 h60
  text "Round" at 6121.2,5700 h60
  text "Top Layer - Bottom Layer" at 6855.01,5700 h60
  text "A" at 3300.87,5690.01 h66.67
  text "3" at 3835.83,5550 h60
  text "47.00mil (1.194mm)" at 4465.67,5550 h60
  text "PTH" at 5615.33,5550 h60
  text "Round" at 6121.2,5550 h60
  text "Top Layer - Bottom Layer" at 6855.01,5550 h60
  text "18" at 3835.83,5400 h60
  text "48.00mil (1.219mm)" at 4465.67,5400 h60
  text "PTH" at 5615.33,5400 h60
  text "Round" at 6121.2,5400 h60
  text "Top Layer - Bottom Layer" at 6855.01,5400 h60
  text "1" at 3835.83,5250 h60
  text "52.00mil (1.321mm)" at 4465.67,5250 h60
  text "NPTH" at 5615.33,5250 h60
  text "Round" at 6121.2,5250 h60
  text "Top Layer - Bottom Layer" at 6855.01,5250 h60
  text "2" at 3835.83,5100 h60
  text "62.99mil (1.600mm)" at 4465.67,5100 h60
  text "NPTH" at 5615.33,5100 h60
  text "Round" at 6121.2,5100 h60
  text "Top Layer - Bottom Layer" at 6855.01,5100 h60
  text "2" at 3835.83,4950 h60
  text "62.99mil (1.600mm)" at 4465.67,4950 h60
  text "NPTH" at 5615.33,4950 h60
  text "Slot" at 6121.2,4950 h60
  text "Top Layer - Bottom Layer" at 6855.01,4950 h60
  text "2" at 3835.83,4800 h60
  text "65.00mil (1.651mm)" at 4465.67,4800 h60
  text "NPTH" at 5615.33,4800 h60
  text "Round" at 6121.2,4800 h60
  text "Top Layer - Bottom Layer" at 6855.01,4800 h60
  text "2" at 3835.83,4650 h60
  text "66.93mil (1.700mm)" at 4465.67,4650 h60
  text "PTH" at 5615.33,4650 h60
  text "Round" at 6121.2,4650 h60
  text "Top Layer - Bottom Layer" at 6855.01,4650 h60
  text "3" at 3835.83,4500 h60
  text "129.92mil (3.300mm)" at 4465.67,4500 h60
  text "PTH" at 5615.33,4500 h60
  text "Round" at 6121.2,4500 h60
  text "Top Layer - Bottom Layer" at 6855.01,4500 h60
  text "1141 Total" at 3835.83,4350 h60
  text "Slot definitions :" at 3329.96,4205.03 h60
  text "Routed Path Length" at 4362.65,4205.03 h60
  text "= Calculated from tool start centre position to tool end centre position." at 5465.31,4205.03 h60
  text "Hole Length" at 4362.65,4105.05 h60
  text "= Routed Path Length + Tool Size = Slot length as defined in the PCB layout" at 5055.45,4105.05 h60
Mechanical 25:
  lines w5: -1458.36,-414.43 -1458.36,413.12 cw(c0,0) 1067.79,1075.79 ; -1457.99,-414.43 ccw(c0,0) 1505.02,-180 ; 1067.73,1075.79 1067.73,-136.42 1465,-136.42 cw(c1463.21,-178.21) 1505,-180
Panel:
  drawing of 877 lines, arcs and shapes, not listed
  text "O.D., x4 Places" at 10084.77,5272.26 h60
  text ".400" at 2138,5092 h60
  text ".400" at 2138,5092 h60
  text "10.172" at 2427,5092 h60
  text "10.172" at 2427,5092 h60
  text ".200" at 5454,5090 h60
  text ".200" at 5454,5090 h60
  text "5.08" at 5743,5090 h60
  text "5.08" at 5743,5090 h60
  text ".125\" +.003/-.000" at 10231,5006.52 h60
  text "FIDUCIAL x3" at 10102.47,4584.74 h60
  text ".120\" OPEN SOLDERMASK" at 10234.9,4354.26 h60
  text ".040\" COPPER" at 10209.9,4064.26 h60
  text "5.08" at 1025,4007 h60 r90
  text "5.08" at 1025,4007 h60 r90
  text ".200" at 1025,3718 h60 r90
  text ".200" at 1025,3718 h60 r90
  text "ROTATE 180" at 2964,2910 h60
  text ".030" at 9982.88,2264.41 h125
  text "5.08" at 1024.5,2182.98 h60 r90
  text ".100" at 11732.88,2114.41 h125
  text "0.76" at 9986,2014.41 h125
  text ".200" at 1024.5,1893.98 h60 r90
  text "2.54" at 11736,1864.41 h125
  text ".120" at 9982.88,1814.41 h125
  text "3.05" at 9986,1564.41 h125
  text "179.4" at 355,1367 h60 r90
  text "179.4" at 355,1367 h60 r90
  text "7.063" at 355,1030 h60 r90
  text "7.063" at 355,1030 h60 r90
  text ".160" at 9982.88,964.41 h125
  text "4.06" at 9986,714.41 h125
  text ".020" at 12061.62,501.91 h125
  text "0.51" at 11986,251.91 h125
  text ".100" at 11161.62,151.91 h125
  text "2.54" at 11086,-98.09 h125
  text "ROTATE 180" at 3034,-449 h60
  text "5.08" at 1025,-503 h60 r90
  text "5.08" at 1025,-503 h60 r90
  text "11.43" at 745,-552 h60 r90
  text "11.43" at 745,-552 h60 r90
  text ".200" at 1025,-792 h60 r90
  text ".200" at 1025,-792 h60 r90
  text ".450" at 745,-841 h60 r90
  text ".450" at 745,-841 h60 r90
  text ".200" at 2176,-2533 h60
  text ".200" at 2176,-2533 h60
  text "5.08" at 2465,-2533 h60
  text "5.08" at 2465,-2533 h60
  text "7.327" at 4600,-2823 h60
  text "7.327" at 4600,-2823 h60
  text "186.101" at 4937,-2823 h60
  text "186.101" at 4937,-2823 h60

## Text inside footprints (layer, text, board x,y; h text height)
D13: Bottom Overlay "K" at -830.01,464.99 h39.37 r270; (M2) Bottom Assembly "K" at -830.01,464.99 h39.37 r270
FB3: Bottom Overlay "5" at -930,260 h31.5; Bottom Overlay "8" at -942,134.99 h31.5; Bottom Overlay "4" at -830,115 h31.5; Bottom Overlay "1" at -835,260 h31.5; (M2) Bottom Assembly "8" at -942,134.99 h31.5; (M2) Bottom Assembly "4" at -814.99,134.99 h31.5; (M2) Bottom Assembly "1" at -822,234.99 h31.5; (M2) Bottom Assembly "5" at -942,234.99 h31.5
J2: Top Overlay "8" at 325,435 h40; Top Overlay "5" at 320,845 h40; Top Overlay "4" at 200,435 h40
J3: Top Overlay "2" at -1050,-190 h31; Top Overlay "20" at -1070,315 h31; Top Overlay "19" at -1195,405 h31
J4: Top Overlay "8" at 270,-70 h40; Top Overlay "5" at 320,330 h40; Top Overlay "4" at 170,-70 h40
LED1: (M1) Top Assembly "K" at 18.35,1495.6 h19.68 r270; Top Overlay "K" at 35,1475 h19.68 r90
LED2: (M1) Top Assembly "K" at 83.03,1495.6 h19.68 r270; Top Overlay "K" at 100,1475 h19.68 r90
LED3: (M1) Top Assembly "K" at 147.71,1495.6 h19.68 r270; Top Overlay "K" at 165,1475 h19.68 r90
LED4: (M1) Top Assembly "K" at 212.39,1495.6 h19.68 r270; Top Overlay "K" at 230,1475 h19.68 r90
LED5: (M1) Top Assembly "K" at -857.93,1221.24 h19.68 r315; Top Overlay "K" at -855,1220 h19.68 r315
LED6: (M1) Top Assembly "K" at -889.58,1193.89 h19.68 r315; Top Overlay "K" at -889.58,1193.89 h19.68 r315
LED7: (M1) Top Assembly "K" at -924.15,1167.46 h19.68 r315; Top Overlay "K" at -924.15,1167.46 h19.68 r315
LED8: (M1) Top Assembly "K" at -1204.71,851.85 h19.68 r330; Top Overlay "K" at -1204.71,851.85 h19.68 r330
LED9: (M1) Top Assembly "K" at -1229.27,809.3 h19.68 r330; Top Overlay "K" at -1229.27,809.3 h19.68 r330
LED10: (M1) Top Assembly "K" at -1253.84,766.75 h19.68 r330; Top Overlay "K" at -1253.84,766.75 h19.68 r330
Q1: (M2) Bottom Assembly "G" at 333.78,1421.65 h31.5 r180; (M2) Bottom Assembly "S" at 387.72,1422.04 h31.5 r180; (M2) Bottom Assembly "D" at 361.34,1294.88 h31.5 r180
Q2: (M2) Bottom Assembly "G" at 536.22,1273.35 h31.5; (M2) Bottom Assembly "S" at 482.28,1272.96 h31.5; (M2) Bottom Assembly "D" at 508.66,1400.12 h31.5
U5: (M1) Top Assembly "A" at -380,595 h31.5 r180; (M1) Top Assembly "1" at -420,545 h31.5 r180; (M1) Top Assembly "2" at -450,545 h31.5 r180; (M1) Top Assembly "3" at -480,545 h31.5 r180; (M1) Top Assembly "7" at -599.99,545 h31.5 r180; (M1) Top Assembly "4" at -510,545 h31.5 r180; (M1) Top Assembly "6" at -570,545 h31.5 r180; (M1) Top Assembly "5" at -540,545 h31.5 r180; (M1) Top Assembly "8" at -630,545 h31.5 r180; (M1) Top Assembly "9" at -660,545 h31.5 r180; (M1) Top Assembly "10" at -690,545 h31.5 r180; (M1) Top Assembly "11" at -730,545 h31.5 r180; (M1) Top Assembly "L" at -380,895 h31.5 r180; (M1) Top Assembly "B" at -380,625 h31.5 r180; (M1) Top Assembly "C" at -380,655 h31.5 r180; (M1) Top Assembly "D" at -380,685 h31.5 r180; (M1) Top Assembly "E" at -380,715 h31.5 r180; (M1) Top Assembly "F" at -380,745 h31.5 r180; (M1) Top Assembly "G" at -380,775 h31.5 r180; (M1) Top Assembly "H" at -380,805 h31.5 r180; (M1) Top Assembly "J" at -380,835 h31.5 r180; (M1) Top Assembly "K" at -380,865 h31.5 r180; Top Overlay "A" at -395,575 h31.5; Top Overlay "1" at -430,530 h31.5
U6: (M1) Top Assembly "R" at -808.35,62.2 h19.68; (M1) Top Assembly "P" at -826.07,90.15 h19.68; (M1) Top Assembly "N" at -808.35,113.77 h19.68; (M1) Top Assembly "M" at -825.67,139.76 h19.68; (M1) Top Assembly "L" at -807.56,164.56 h19.68; (M1) Top Assembly "K" at -826.46,192.12 h19.68; (M1) Top Assembly "J" at -807.96,216.14 h19.68; (M1) Top Assembly "H" at -826.86,243.3 h19.68; (M1) Top Assembly "G" at -807.56,267.71 h19.68; (M1) Top Assembly "F" at -827.64,291.33 h19.68; (M1) Top Assembly "E" at -807.96,315.35 h19.68; (M1) Top Assembly "D" at -826.86,344.88 h19.68; (M1) Top Assembly "C" at -807.56,368.89 h19.68; (M1) Top Assembly "B" at -824.1,395.66 h19.68; (M1) Top Assembly "A" at -807.56,422.83 h19.68; (M1) Top Assembly "1" at -763.47,464.56 h19.68; (M1) Top Assembly "2" at -743.39,485.82 h19.68; (M1) Top Assembly "3" at -715.44,464.96 h19.68; (M1) Top Assembly "4" at -688.67,486.61 h19.68; (M1) Top Assembly "5" at -663.08,464.56 h19.68; (M1) Top Assembly "6" at -637.09,488.58 h19.68; (M1) Top Assembly "7" at -612.29,464.56 h19.68; (M1) Top Assembly "8" at -586.3,487.79 h19.68; (M1) Top Assembly "9" at -561.11,464.56 h19.68; (M1) Top Assembly "10" at -542.21,488.18 h19.68; (M1) Top Assembly "11" at -516.23,464.56 h19.68; (M1) Top Assembly "12" at -491.42,488.18 h19.68; (M1) Top Assembly "13" at -466.62,464.17 h19.68; (M1) Top Assembly "14" at -441.03,488.58 h19.68; (M1) Top Assembly "15" at -415.83,464.17 h19.68; Top Overlay "1" at -794.95,418.58 h19.68
U8: Top Overlay "4" at 25,250 h31; Top Overlay "5" at -15,290 h31; Top Overlay "8" at -150,260 h31; Top Overlay "14" at -20,150 h31; Top Overlay "12" at -115,150 h31; Top Overlay "11" at -150,165 h31; Top Overlay "7" at -100,295 h31
U11: (M1) Top Assembly "12" at 21.22,-586.9 h31.5 r45; (M1) Top Assembly "13" at 106.07,-586.9 h31.5 r45; (M1) Top Assembly "24" at 268.71,-424.26 h31.5 r45; (M1) Top Assembly "25" at 268.71,-339.41 h31.5 r45; (M1) Top Assembly "36" at 113.14,-183.85 h31.5 r45; (M1) Top Assembly "37" at 28.29,-183.85 h31.5 r45; (M1) Top Assembly "48" at -134.35,-346.48 h31.5 r45; (M1) Top Assembly "1" at -114.13,-411.12 h31.5 r45; Top Overlay "48" at -134.35,-346.48 h31.5 r45; Top Overlay "37" at 28.29,-183.85 h31.5 r45; Top Overlay "36" at 113.14,-183.85 h31.5 r45; Top Overlay "25" at 268.71,-339.41 h31.5 r45; Top Overlay "24" at 275,-400 h31.5 r45; Top Overlay "13" at 130,-585 h31.5 r45; Top Overlay "12" at 25,-580 h31.5 r45; Top Overlay "1" at -114.13,-411.12 h31.5 r45
U15: Top Overlay "6" at -1430,-340 h31; Top Overlay "4" at -1330,-340 h31; Top Overlay "3" at -1335,-435 h31
U19: Bottom Overlay "4" at 95,-40.01 h31; Bottom Overlay "5" at 70,-95.01 h31; Bottom Overlay "8" at -50,-100.01 h31; Bottom Overlay "9" at -75.5,-60.11 h31; Bottom Overlay "13" at -40,79.99 h31; Bottom Overlay "16" at 50,84.99 h31
X1: (M1) Top Assembly "1" at -648.62,1005 h39.37; Top Overlay "1" at -630,1030 h39.37